# KiCad board Scan_Head_Set-Relay_board-19.01.2023_Copy.kicad_pcb (continued)
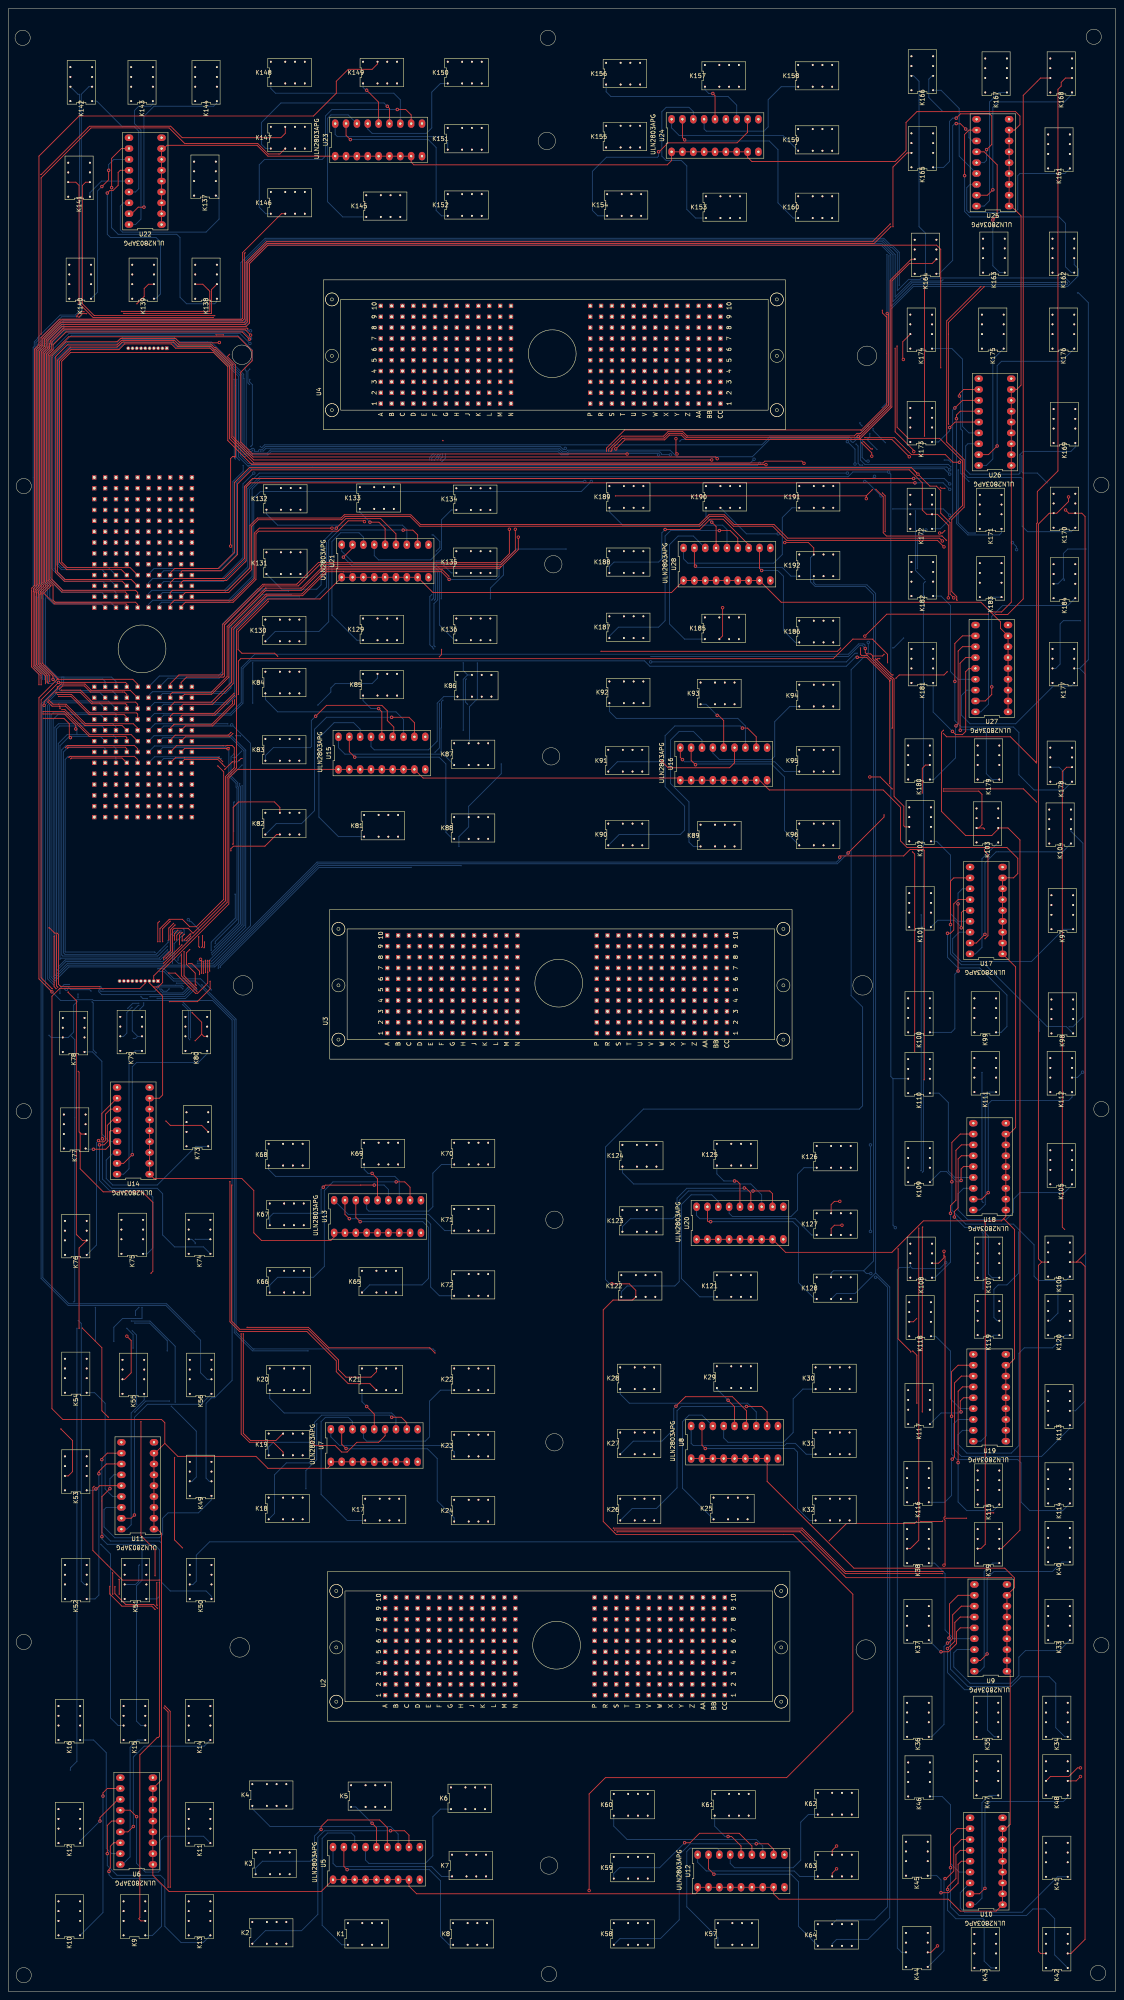
[diagram p0: board, top side]
## Routing (per net, layer and track width the routed paths; a pad name or vN(x,y) marks a point on that pad's centre or on a via; arc(x,y) is an arc through that point) (continued)
  Bottom w0.2: v2(99.06,358.39) 99.06,358.88 v2(99.9,359.72) ; v2(70.1,149.92) 57.09,149.92 52.83,154.18 52.83,227.39 43.75,236.47 38.61,236.47 36.4,238.68 v2(35.39,238.68) ; v2(100.08,334.77) 101.47,334.77 v2(102.17,334.07) ; v2(100.13,337.09) 100.95,337.9 100.95,339.34 99.42,340.87 v2(99.15,340.87) ; v2(72.14,132.84) 72.14,124.46 69.6,121.92 v2(69.6,117.66) ; v2(35.54,243.6) 35.49,243.66 ; 35.49,243.66 34.54,242.72 13.21,242.72 12.85,243.08 12.85,290.07 13.97,291.19 22.24,291.19 22.61,290.83 U1.W9 ; 35.49,243.66 37.34,245.51 v2(37.34,245.97) ; v2(40.7,245.87) 42.16,245.87 42.49,246.2 v2(42.49,246.46)
IO54: length 559.6
  +12V w0.2: v1(39.69,239.46) 39.69,239.71 v1(38.86,240.54) ; v1(60.45,378.71) 61.02,378.15 61.02,363.84 61.45,363.42 v1(99.82,363.42)
  AGND w0.2: K17.21 86.87,114.3 85.85,113.28 76.2,113.28 71.37,118.11 53.85,118.11 51.86,120.1 51.86,227.31 46,233.17 41.62,233.17 40.34,234.45 40.34,235.92 41.15,236.73 41.15,238 v1(39.69,239.46) ; v2(47.43,243.65) 44.88,243.65 43.19,241.95 40.83,241.95 40.68,242.1 ; v2(99.6,358.35) 99.6,333.02 v2(99.5,332.93) ; 40.68,242.1 40.33,242.45 v2(40.33,242.52) ; 40.68,242.1 38.18,244.6 v2(37.18,244.6) ; v1(99.82,363.42) 100.52,362.72 v2(100.52,359.73) ; v2(99.06,325.63) 98.66,325.23 98.66,303.59 v2(100.87,301.38) ; v2(99.82,290.01) 99.06,289.25 99.06,283.21 94.49,278.64 88.39,278.64 86.61,276.86 K81.21 86.61,274.83 85.09,273.3 57.15,273.3 53.98,270.14 53.98,257.76 v2(53.02,256.79) ; v1(38.86,240.54) v2(39.67,241.34) ; K145.21 87.12,418.59 85.34,416.81 85.34,414.27 83.57,412.5 60.2,412.5 57.59,409.89 57.59,390.4 59.98,388 59.98,380.67 58.86,379.55 59.69,378.71 v1(60.45,378.71)
  Bottom w0.2: v2(39.67,241.34) 39.67,241.85 v2(40.33,242.52) ; v2(99.82,290.01) 100.84,291.03 100.84,301.34 v2(100.87,301.38) ; v2(53.02,256.79) 53.07,256.74 53.07,251.21 47.43,245.57 v2(47.43,243.65) ; v2(37.18,244.6) 34.89,242.32 12.7,242.32 12.45,242.57 12.45,290.58 13.46,291.59 24.38,291.59 25.15,290.83 U1.W8 ; v2(99.6,358.35) 99.6,358.4 100.29,359.1 100.29,359.5 v2(100.52,359.73) ; v2(99.06,325.63) 99.5,326.07 v2(99.5,332.93)
IO55: length 606
  Top w0.2: U1.W7 27.69,290.83 27.32,291.19 14.01,291.19 13.81,290.99 v4(13.85,290.95) ; v4(54.64,288.54) 54.4,288.54 v8(53.94,288.09) ; v8(52.49,287.78) 52.38,287.78 v4(50.6,286) ; v4(36.32,241.55) 36.32,241.94 37.95,243.57 37.95,248.58 v4(38.96,249.58)
  +12V w0.2: v4(54.64,288.54) 55.31,289.22 v1(55.31,289.31) ; v4(38.96,249.58) 39,249.55 ; 39,249.55 39.73,250.29 39.73,250.61 40.65,251.53 42.36,251.53 49.89,259.06 49.89,285.24 50.65,286 v4(50.6,286) ; 39,249.55 38.95,249.5 14.63,249.5 13.69,250.44 13.69,290.8 v4(13.85,290.95) ; v1(60.17,378.26) 60.31,378.26 60.62,377.94 60.62,363.78 60.57,363.73 61.33,362.97 v4(101.6,362.97) ; v4(36.32,241.55) 38.78,239.1 v1(39.33,239.1)
  AGND w0.2: 55.57,292.41 55.57,289.56 v1(55.31,289.31) ; 55.57,292.41 55.52,292.35 ; 55.57,292.41 55.92,292.75 55.92,298.91 57.66,300.65 57.71,300.6 72.58,300.6 72.91,300.93 103.57,300.93 ; 103.57,300.93 106.36,300.93 K86.11 ; 103.57,300.93 102.17,300.93 99.06,304.04 99.06,324.99 v2(99.68,325.61) ; v2(39.31,235.97) 39.26,236.02 39.26,239.03 v1(39.33,239.1) ; K22.11 106.93,140.72 105.92,141.73 105.92,147.57 103.12,150.37 56.39,150.37 53.64,153.12 53.64,227.54 46.74,234.44 44.13,234.44 v2(44.1,234.47) ; 101.6,359.92 101.8,360.11 101.8,362.85 v9(101.72,362.93) ; v1(60.17,378.26) 59.49,378.26 59.46,378.23 58.45,379.25 58.45,379.7 59.58,380.83 59.58,387.82 57.25,390.14 57.19,390.14 57.19,440.67 58.84,442.32 90.59,442.32 97.34,449.07 104.14,449.07 106.17,447.04 K150.11 ; v2(100.01,332.42) 100.58,332.99 100.58,357.89 v2(101.09,358.39)
  Bottom w0.2: v2(99.68,325.61) 99.9,325.84 99.9,332.31 v2(100.01,332.42) ; v8(52.49,287.78) 53.64,287.78 v8(53.94,288.09) ; v2(101.6,359.9) 101.6,359.16 101.09,358.65 v2(101.09,358.39) ; v2(39.31,235.97) 42.61,235.97 v2(44.1,234.47)
IO56: length 594.4
  Top w0.2: v4(44.7,244.35) 44.51,244.54 v4(44.51,246.82) ; U1.W6 30.23,290.83 29.46,291.59 13.85,291.59 v4(13.34,291.08) ; v4(46.08,241.33) 46.09,241.32 v4(46.09,238.44)
  +12V w0.2: v4(46.08,241.33) 46.08,242.59 44.7,243.97 v4(44.7,244.35) ; 42.29,250.58 42.29,250.62 v3(42.07,250.83) ; 42.29,250.58 49.84,258.13 v1(49.84,258.22) ; 42.29,250.58 40.26,250.58 40.13,250.44 40.13,250.12 39.12,249.1 14.12,249.1 13.29,249.94 13.29,291.03 v4(13.34,291.08) ; v1(44.89,247.46) 44.96,247.4 44.96,247.08 44.7,246.82 v4(44.51,246.82) ; K22.21 103.63,149.86 57.15,149.86 55.37,151.64 55.37,153.72 55.39,153.74 55.39,229.14 v4(46.09,238.44) ; v6(100.08,333.81) v1(100.08,340.87) ; 101.35,362.44 101.3,362.49 61.18,362.49 60.17,363.5 v1(60.17,377.76) ; v1(55.88,282.19) 55.88,282.16 v1(54.64,280.92)
  AGND w0.2: v2(101.3,325.94) 100.33,324.97 100.33,314.96 104.34,310.95 v2(106.43,310.95) ; K150.21 105.41,451.61 103.38,449.58 97.28,449.58 90.42,442.72 58.67,442.72 56.79,440.84 56.79,389.74 57.09,389.74 59.18,387.65 59.18,381 57.66,379.48 59.38,377.76 v1(60.17,377.76) ; v2(52.7,271.53) 51.82,270.65 51.82,260.19 v1(49.84,258.22) ; v1(55.88,282.19) 67.52,282.19 69.6,284.27 69.6,285.24 74.42,290.07 98.04,290.07 103.12,295.15 v2(106.43,295.15) ; v1(101.35,362.46) 101.09,362.2 v2(101.09,359.66) ; v2(44.64,248.48) 44.89,248.22 v1(44.89,247.46) ; v1(100.08,340.87) 100.08,358.2 v2(100.33,358.45) ; v1(54.64,280.92) 54.1,280.92 52.83,279.65 v2(52.83,278.38)
  Bottom w0.2: v2(52.83,278.38) 52.82,278.39 52.7,278.26 v2(52.7,271.53) ; v2(44.64,248.48) 42.67,250.44 42.42,250.44 42.42,250.48 v3(42.07,250.83) ; v2(106.43,310.95) 106.43,309.12 107.44,308.1 ; v2(101.3,325.94) 101.3,332.59 v6(100.08,333.81) ; 107.44,308.1 106.43,307.09 v2(106.43,295.15) ; 107.44,308.1 K86.21 ; v2(100.33,358.45) 100.69,358.81 100.69,359.26 v2(101.09,359.66)
IO57: length 516.6
  Top w0.2: v4(39.37,246.08) 39.37,247.19 v4(40.11,247.93) ; U1.V6 28.7,294.13 19.05,294.13 13.21,299.97 v4(12.49,299.97) ; v4(51.82,189.54) 51.82,156.72 54.1,154.43 69.85,154.43 76.71,147.57 76.71,145.03 79.5,142.24 84.58,142.24 K21.11 ; v4(44.01,234.76) 41.08,237.68 v4(41.08,243.35)
  +12V w0.2: v4(40.11,247.93) 40.16,247.93 40.19,247.9 ; v1(59.36,361.83) 59.11,361.83 58.57,362.37 58.57,377.54 v1(58.62,377.59) ; v1(56.64,356.11) 56.64,355.55 v1(55.14,354.05) ; v1(57.63,325.4) 55,328.04 v1(55,331.22) ; v4(51.82,189.54) 52.07,189.8 52.07,226.69 v4(44.01,234.76) ; v4(12.49,299.97) 12.49,248.62 13.21,247.9 40.19,247.9 ; 40.19,247.9 40.19,248.01 41.39,249.21 42.62,249.21 51.24,257.84 51.24,266.45 51.19,266.5 51.19,284.57 v1(51.61,284.99) ; v4(39.37,246.08) 39.37,244.92 40.94,243.35 v4(41.08,243.35)
  AGND w0.2: v1(55,331.22) 56.64,332.86 56.64,343.04 55.23,344.45 55.23,353.97 v1(55.14,354.05) ; v1(58.62,377.59) 58.36,377.59 57.27,378.68 57.19,378.68 56.64,379.22 58.71,381.29 58.71,387.55 56.93,389.34 56.39,389.34 56.39,441.2 58.67,443.48 85.34,443.48 86.36,444.5 K149.11 ; v2(52.54,288.77) 52.47,288.7 52.47,287.3 51.61,286.45 v1(51.61,284.99) ; v1(57.63,325.4) 52.83,320.6 52.83,315.72 57.15,311.4 v2(57.15,310.95) ; K85.11 86.36,302.51 85.34,301.5 v2(57.15,301.5) 55.12,299.47 55.12,293.88 54.55,293.31 v2(54.55,290.26) ; v1(59.36,361.83) 59.38,361.81 59.38,359.81 59.33,359.77 58.81,359.77 56.64,357.6 v1(56.64,356.11)
  Bottom w0.2: v2(57.15,301.5) v2(57.15,310.95) ; v2(54.55,290.26) 53.06,288.77 v2(52.54,288.77)
IO58: length 557
  Top w0.2: v4(38.86,246.08) 38.86,247.59 v4(39.62,248.35) ; v4(7.12,305.82) 7.12,308.26 5.37,310.01 5.37,327.81 5.43,327.87 5.43,328.41 6.05,329.04 6.05,384.33 7.11,385.39 7.11,429.51 16.51,438.91 71.37,438.91 76.71,444.25 76.71,447.04 79.5,449.83 85.09,449.83 86.36,451.1 K149.21 ; U1.V7 27.69,293.48 27.43,293.73 18.88,293.73 13.1,299.52 v4(12.94,299.52) 8.12,299.52 v4(8.07,299.47) ; v4(44.07,234.06) 40.45,237.68 v4(40.45,242.76) ; K21.21 86.11,145.03 84.84,143.76 78.99,143.76 77.22,145.54 77.22,147.83 70.08,154.97 54.13,154.97 52.22,156.88 52.22,188.67 v4(52.27,188.72)
  +12V w0.2: 39.52,248.3 39.62,248.3 41.05,249.73 42.57,249.73 50.74,257.9 v1(50.74,283.21) ; 39.52,248.3 39.57,248.35 v4(39.62,248.35) ; 39.52,248.3 13.37,248.3 12.89,248.79 12.89,299.47 v4(12.94,299.52) ; v4(52.27,188.72) 52,188.72 51.37,189.36 51.37,189.73 51.67,190.03 51.67,226.46 v4(44.07,234.06) ; v4(38.86,246.08) 38.86,244.35 v4(40.45,242.76) ; v4(8.07,299.47) 7.12,300.42 v4(7.12,305.82)
  AGND w0.2: v2(52.7,284.99) 52.52,284.99 v1(50.74,283.21) ; v2(54.67,287.02) 54.86,287.22 54.86,289.94 55,290.07 55,292.99 55.52,293.52 55.52,299.21 57.35,301.05 v2(72.39,301.05)
  Bottom w0.2: v2(52.7,284.99) 52.7,285.05 v2(54.67,287.02) ; v2(72.39,301.05) 75.44,304.1 75.44,305.05 76.45,306.07 85.09,306.07 86.36,307.34 K85.21
IO59: length 492.9
  Top w0.2: K147.11 63.5,430.02 60.76,430.02 58.33,432.45 41.26,432.45 37.59,436.12 19.3,436.12 7.62,424.43 v4(7.62,387.86) ; v4(54.44,153.92) 54.44,130.47 56.39,128.52 61.98,128.52 64.26,126.24 K19.11 ; v4(45.13,238.27) 45.13,241.35 v7(44.93,241.55) ; v4(8.07,298.97) 13.08,298.97 15.73,296.32 v5(15.73,295.46)
  +12V w0.2: v4(45.13,238.27) 45.13,237.18 54.44,227.87 v4(54.44,153.92) ; v4(8.07,298.97) 7.78,298.97 6.67,300.07 6.67,386.91 v4(7.62,387.86)
  AGND w0.2: 44.19,241.82 43.41,241.05 40.6,241.05 38.32,243.33 v2(37.4,243.33) ; 44.19,241.82 44.45,241.55 v7(44.93,241.55) ; 44.19,241.82 44.97,242.6 v2(47.66,242.6) ; v2(54.67,282.19) 56.95,284.48 62.48,284.48 63.5,285.5 K83.11
  Bottom w0.2: v2(54.67,282.19) 54.67,249.61 v2(47.66,242.6) ; 16,294.13 24.38,294.13 25.15,293.37 U1.V8 ; 16,294.13 13.72,294.13 11.64,292.06 11.64,239.82 11.66,239.8 13.27,241.42 35.49,241.42 v2(37.4,243.33) ; 16,294.13 16,295.2 v5(15.73,295.46)
IO60: length 491.2
  Top w0.2: K147.21 64.77,434.85 63.75,433.83 40.64,433.83 37.95,436.52 18.94,436.52 7.62,425.2 v4(7.56,425.2) ; v5(14.48,293.43) 14.21,293.7 14.21,296.69 12.95,297.94 v4(8.13,297.94) ; K19.21 64.2,130.56 62.57,128.92 56.64,128.92 54.94,130.62 v4(54.94,153.92) ; v4(45.63,238.25) 45.58,238.3 v4(45.58,241.05)
  +12V w0.2: v1(44.96,243.08) 45.63,242.4 45.63,241.1 v4(45.58,241.05) ; v4(7.56,425.2) 7.56,388.44 6.27,387.14 6.27,299.8 v4(8.13,297.94) ; v4(45.63,238.25) 45.63,237.32 54.94,228.01 v4(54.94,153.92)
  AGND w0.2: 45.21,243.08 v2(47.5,243.08) ; 45.21,243.08 45.21,243.08 v1(44.96,243.08) ; 45.21,243.08 44.88,243.08 43.36,241.55 40.66,241.55 38.42,243.79 v2(37.21,243.79) ; K83.21 62.48,293.12 61.47,292.1 61.47,286 60.45,284.99 56.39,284.99 v2(54.1,282.7)
  Bottom w0.2: U1.V9 21.48,293.73 14.22,293.73 ; v5(14.48,293.43) 14.22,293.69 14.22,293.73 ; v2(47.5,243.08) 54.27,249.85 54.27,281.96 54.1,282.12 v2(54.1,282.7) ; v2(37.21,243.79) 37.21,243.78 35.31,241.88 35.31,241.82 12.31,241.82 12.04,241.55 12.04,291.55 14.22,293.73
IO61: length 460.5
  Top w0.2: v4(42.11,240.54) 42.93,240.54 44.68,238.78 v4(44.68,238)
  +12V w0.2: v4(44.68,238) 44.68,237.06 53.99,227.75 53.99,150.88 55.88,148.99 63.1,148.99 65.26,146.83 65.26,141.46 K20.11 ; v1(55.46,355) 54.16,353.71 54.16,333.31 60.65,326.82 v1(64.52,326.82) ; v3(37.65,242.57) 38.12,242.57 40.15,240.54 v4(42.11,240.54)
  AGND w0.2: K148.11 64.77,445.77 63.5,444.5 58.42,444.5 55.88,441.96 55.88,388.11 56.45,387.54 57.52,387.54 58.31,386.75 58.31,381.53 v2(56.45,379.67) ; v2(54.29,293.81) 54.61,294.13 54.61,299.72 57.4,302.51 62.48,302.51 63.5,303.53 K84.11 64.52,304.8 v1(64.52,326.82) ; v2(57.15,360.68) 57.15,375.32 v2(56.39,376.08) ; v2(53.14,293.88) 52.4,293.13 52.4,292.35 52.32,292.28 52.32,291.14 53.09,290.37 53.09,289.8 53.14,289.75 53.14,289.37 53.09,289.31 53.09,287.77 53.14,287.71 53.14,287.34 53.09,287.28 53.09,285.23 53.14,285.17 53.14,284.8 52.88,284.54 52.64,284.54 51.82,283.72 51.82,271.28 52.51,271.98 52.88,271.98 53.14,271.71 53.14,271.34 52.88,271.08 52.81,271.08 52.32,270.59 52.32,269.44 52.68,269.44 52.73,269.39 52.74,269.39 53.14,268.99 53.14,258.26 53.18,258.22 43.16,248.19 v2(40.4,248.19) ; v1(55.46,355) 55.37,355.09 55.37,360.23 v2(55.58,360.45)
  Bottom w0.2: v3(37.65,242.57) 37.59,242.57 ; 37.59,242.57 36.04,241.02 13.44,241.02 11.43,239.01 11.24,239.2 11.24,295.47 11.94,296.16 21.84,296.16 22.61,295.4 U1.U9 ; 37.59,242.57 37.85,242.82 37.85,247.14 38.9,248.19 v2(40.4,248.19) ; v2(55.58,360.45) 56.92,360.45 v2(57.15,360.68) ; v2(56.45,379.67) 56.45,379.65 56.03,379.22 56.03,376.44 v2(56.39,376.08) ; v2(53.14,293.88) 54.23,293.88 v2(54.29,293.81)
IO62: length 466.4
  Top w0.2: v4(60.8,325.34) 60.8,325.32 53.74,318.26 53.74,314.05 54.61,313.18 62.29,313.18 v4(62.99,312.48) ; v8(36.28,240.62) v4(40.58,244.92)
  +12V w0.2: v1(61.21,362.04) 60.68,362.04 59.72,362.99 59.72,388.2 56.39,391.53 56.39,406.62 66.04,416.27 66.04,448.56 64.77,449.83 K148.21 ; 44.46,244.85 44.21,244.6 44.23,244.57 44.23,236.94 53.59,227.58 53.59,150.62 55.63,148.59 62.74,148.59 64.52,146.81 K20.21 ; 44.46,244.85 55.12,255.51 55.12,280.84 56.02,281.74 56.07,281.74 56.33,282.01 56.33,282.38 56.07,282.64 55.69,282.64 55.43,282.38 55.43,282.28 55.12,281.97 55.12,288.46 55.76,289.1 55.76,303.33 58.51,306.07 61.47,306.07 63.5,308.1 K84.21 63.5,311.97 v4(62.99,312.48) ; 44.46,244.85 v1(44.23,244.62) ; v4(40.58,244.92) 40.68,244.92 v1(41.2,244.4) ; v4(60.8,325.34) 60.8,326.1 53.74,333.16 53.74,353.92 57.16,357.34 v1(57.24,357.34)
  AGND w0.2: v1(44.23,244.62) 41.42,244.62 v1(41.2,244.4) ; v1(57.24,357.34) 58.2,357.34 59.73,358.88 59.73,359.6 61.21,361.08 v1(61.21,362.04)
  Bottom w0.2: v8(36.28,240.62) 13.77,240.62 10.91,237.76 10.84,237.82 10.84,295.83 11.68,296.67 24.38,296.67 25.15,295.91 U1.U8
IO63: length 459.7
  Top w0.2: v4(7.62,305.82) 7.62,308.32 5.77,310.18 5.77,327.64 5.83,327.7 5.83,328.24 6.55,328.97 6.45,329.07 6.45,384.16 7.61,385.32 7.61,387.07 11.89,391.34 54.55,391.34 54.79,391.58 54.79,406.96 63.88,416.05 K146.11 ; 11.88,300.79 10.19,300.79 v4(9.19,301.79) ; 11.88,300.79 13.27,300.79 13.31,300.83 17.87,296.27 26.56,296.27 U1.U7 ; 11.88,300.79 12.04,300.63 v4(12.04,300.23) ; K82.11 62.74,270.76 60,268.03 52.64,268.03 52.04,267.43 v4(52.04,266.95) ; v4(43.94,235.46) 43.69,235.71 43.69,238.32 41.66,240.35 41.66,243.08 v4(42.41,243.83) ; v4(40.64,245.87) 40.64,246.9 v4(41.14,247.4)
  +12V w0.2: v4(9.19,301.79) 8.85,301.79 7.62,303.02 v4(7.62,305.82) ; v4(12.04,300.23) 12.04,248.27 12.94,247.38 41.17,247.38 42.11,248.32 42.86,248.32 52.04,257.5 v4(52.04,266.95) ; v4(40.64,245.87) 40.64,245.6 v4(42.41,243.83) ; K18.11 64.26,111.76 62.23,113.79 53.59,113.79 52.78,114.61 52.78,226.62 v4(43.94,235.46)
IO64: length 469.9
  Top w0.2: v4(8.64,306.07) 8.64,307.87 6.17,310.34 6.17,327.48 6.23,327.54 6.23,328.08 7.12,328.97 6.85,329.24 6.85,384 8.01,385.16 8.01,386.9 12.06,390.94 54.72,390.94 55.19,391.41 55.19,406.72 v4(55.37,406.91) ; v4(52.49,268.48) 52.58,268.57 52.58,277.11 53.85,278.38 62.23,278.38 63.5,277.11 K82.21 ; U1.U6 30.23,295.66 29.21,296.67 18.03,296.67 13.46,301.24 v4(11.68,301.24) 10.41,301.24 v4(9.42,302.24)
  +12V w0.2: 41.56,246.98 42.5,247.92 43.02,247.92 52.49,257.39 v4(52.49,268.48) ; 41.56,246.98 41.5,246.93 12.82,246.93 11.59,248.16 11.59,301.15 v4(11.68,301.24) ; 41.56,246.98 41.55,246.98 v1(41.4,246.98) ; v4(8.64,306.07) 8.64,304.8 v1(8.83,304.61) ; K146.21 62.48,418.85 62.48,414.27 55.37,407.16 v4(55.37,406.91) ; v4(9.42,302.24) 9.4,302.26 v1(9.4,303.78) ; v1(42.16,246.08) 43.83,244.41 43.83,236.33 53.18,226.99 53.18,122.08 55.63,119.63 60.96,119.63 64.26,116.33 K18.21
  AGND w0.2: v1(9.4,303.78) 9.4,304.04 v1(8.83,304.61) ; v1(41.4,246.98) 41.4,246.59 41.91,246.08 v1(42.16,246.08)
IO65: length 574.2
  Top w0.2: v4(228.35,398.98) 219.98,390.61 219.98,366.83 v4(220.03,366.78) ; v4(202.95,311.91) 203.2,311.66 ; 203.2,311.66 203.45,311.91 v4(203.9,311.91) ; 203.2,311.66 206.76,308.1 v4(207.01,308.1) ; K39.11 232.41,103.63 236.73,107.95 236.73,269.49 233.93,272.29 K103.11 231.65,272.03 230.12,270.51 224.03,270.51 218.36,276.17 218.36,294.7 v4(218.81,295.15) ; v4(218.09,352.01) 218.31,351.79 v4(219.14,351.79)
  +12V w0.2: v4(219.14,351.79) 219.09,351.84 219.09,363.85 219.42,364.17 219.42,366.17 v4(220.03,366.78) ; v4(207.01,308.1) 207.59,308.1 218.81,296.88 v4(218.81,295.15) ; v1(203.9,313.18) v4(203.9,311.91) ; v4(218.09,352.01) 217.81,352.3 215.39,352.3 214.88,351.79 214.88,342.16 v3(214.74,342.02) ; K167.11 232.41,447.8 231.14,446.53 231.14,400.05 230.07,398.98 v4(228.35,398.98) ; v4(202.95,311.91) 201.87,312.99 v1(201.49,312.99)
  AGND w0.2: v1(201.49,312.99) 201.49,314.49 200.91,315.06 v2(200.47,315.06) ; v2(212.71,332.99) 212.71,332.09 211.84,331.22 210.57,331.22 209.94,330.59 209.94,317.19 v2(209.49,316.74) ; v2(206.95,314.45) 205.17,314.45 v1(203.9,313.18)
  Bottom w0.2: v2(212.71,332.99) 212.71,339.99 v3(214.74,342.02) ; U1.T5 34.18,299.1 51.9,299.1 54.46,301.66 54.46,309.79 57.63,312.96 196.57,312.96 198.97,315.36 200.17,315.36 v2(200.47,315.06) ; v2(206.95,314.45) 207.21,314.45 v2(209.49,316.74)
IO66: length 577
  Top w0.2: v4(219.71,308.86) 218.95,308.1 208.48,308.1 v4(207.71,307.34) ; v4(218.81,280.92) 227.08,280.92 227.84,280.16 227.84,273.05 227.08,272.29 ; 227.08,272.29 K103.21 ; 227.08,272.29 228.16,272.29 v4(228.42,272.03) ; v4(227.58,398.98) 219.58,390.97 219.58,362.59 223.67,358.5 223.67,347.36 220.76,344.46 220.76,327.6 221.93,326.43 221.93,325.85 221.83,325.74 v4(222,325.57) ; 206.25,306.58 206.25,306.83 200.85,312.23 v5(198.63,312.23) ; 206.25,306.58 206.25,306.71 v4(206.37,306.83) ; 206.25,306.58 206.25,282.7 v4(206.21,282.67) ; v4(228.54,246.38) 229.24,247.08 229.24,266.04 228.42,266.86 v4(228.42,267.27) ; K39.21 227.58,103.63 228.6,104.65 228.6,179.83 v4(228.54,179.89)
  +12V w0.2: v4(207.71,307.34) 206.87,307.34 v4(206.37,306.83) ; v4(227.58,398.98) 229.68,401.07 229.68,446.59 230.38,447.29 229.87,447.8 K167.21 ; v4(218.81,280.92) 206.69,280.92 206.21,281.4 v4(206.21,282.67) ; v4(228.42,267.27) v4(228.42,272.03) ; v4(228.54,179.89) v4(228.54,246.38) ; v4(222,325.57) 219.71,323.29 v4(219.71,308.86)
  Bottom w0.2: U1.T4 36.32,298.7 52.07,298.7 54.86,301.5 54.86,309.63 56.64,311.4 148.84,311.4 150.11,310.13 196.09,310.13 198.37,312.42 198.57,312.23 v5(198.63,312.23)
IO67: length 592.8
  Top w0.2: v4(199.39,314.39) 199.39,312.93 199.69,312.63 201.02,312.63 206.36,307.28 206.55,307.28 206.86,306.97 206.86,295.71 v4(206.81,295.66) ; 240.44,287.68 234.5,293.62 219.58,293.62 v4(218.81,294.39) ; 240.44,287.68 v4(240.6,287.53) ; 240.44,287.68 240.65,287.89 240.65,343.57 240.79,343.72 240.79,351.03 245.62,355.85 245.62,445.14 246.38,445.9 246.38,446.79 247.4,447.8 K168.11 ; v4(194.75,314.39) 193.99,313.63 v4(138.68,313.63) ; U1.T3 37.85,298.45 38.5,299.1 48.08,299.1 v4(52.78,303.8)
  +12V w0.2: K104.11 246.13,274.57 246.13,277.62 244.86,278.89 240.72,278.89 240.6,279.02 v4(240.6,287.53) ; v1(249.22,176.3) 251.53,173.99 251.53,107 K40.11 ; v4(206.81,295.66) 217.54,295.66 v4(218.81,294.39) ; v4(138.68,313.63) 55.26,313.63 53.19,311.57 53.19,304.22 v4(52.78,303.8) ; v4(194.75,314.39) v4(199.39,314.39)
  AGND w0.2: v1(249.22,176.3) 248.17,177.34 248.17,225.7 v2(248.24,225.76)
  Bottom w0.2: v2(248.24,225.76) 249.13,225.76 251.46,228.09 251.46,268.73 248.67,271.53 K104.11
IO68: length 593.6
  Top w0.2: v4(231.08,322.26) 233.87,322.26 237.49,325.88 237.49,443.74 241.55,447.8 K168.21 ; v4(52.89,303.28) 48.32,298.7 40.64,298.7 40.39,298.45 U1.T2 ; v7(200.41,317.18) 205.56,322.33 v4(229.3,322.33) ; v4(240.6,278.38) 237.55,281.43 v4(218.81,281.43) ; v7(201.59,284.23) 204.02,284.23 v4(206.81,281.43)
  +12V w0.2: v4(229.3,322.33) 229.37,322.26 v4(231.08,322.26) ; K104.21 242.06,272.03 241.68,272.41 ; v4(206.81,281.43) v4(218.81,281.43) ; 241.68,272.41 241.69,272.41 v1(241.69,209.87) ; 241.68,272.41 241.3,272.8 241.3,277.68 v4(240.6,278.38) ; v4(52.89,303.28) 53.59,303.98 53.59,311.4 55.12,312.93 139.45,312.93 140.46,311.91 150.37,311.91 150.28,311.83 v3(150.28,311.15)
  AGND w0.2: v1(241.69,209.87) 241.69,134.9 241.64,134.85 241.64,104.9 242.65,103.89 K40.21 ; v7(201.59,284.23) 201.59,310.73 200.15,312.17 ; v2(198.63,313.18) 199.14,313.18 200.15,312.17 ; 200.15,312.17 199.82,312.5 199.82,316.59 v7(200.41,317.18)
  Bottom w0.2: v3(150.28,311.15) 196.09,311.15 198.12,313.18 v2(198.63,313.18)
IO69: length 670.6
  Top w0.2: v5(103.12,330.45) 101.32,332.26 80.08,332.26 80.05,332.23 78.45,332.23 78.42,332.26 74.45,332.26 68.83,326.64 60.45,326.64 52.58,318.77 52.58,306.07 47.75,301.24 40.89,301.24 40.39,300.74 U1.S2
  +12V w0.2: K97.11 250.44,251.97 250.88,252.4 v1(250.88,253.24) ; v1(128.27,359.35) 128.72,358.9 130.56,358.9 130.81,358.65 v1(130.81,357.83)
  AGND w0.2: v2(130.5,337.57) 130.45,337.62 130.45,357.39 130.81,357.75 v1(130.81,357.83) ; v1(128.27,359.35) 128.27,360.32 132.46,364.51 158.9,364.51 159.35,364.06 159.35,363.56 159.26,363.47 160.65,362.08 192.92,362.08 195.07,364.24 196.99,364.24 203.9,371.15 206.56,371.15 208.24,372.83 208.24,388.15 204.72,391.67 204.72,392.74 215.11,403.13 220.7,403.13 220.7,412.21 224.28,415.8 240.79,415.8 241.05,416.05 241.05,422.66 K161.11 249.43,430.02 251.21,428.24 251.21,397 253.02,395.19 253.02,255.38 v1(250.88,253.24) ; K97.11 249.92,251.22 249.92,226.55 249.68,226.31 248.16,226.31 247.65,225.81 247.67,225.79 247.67,85.87 247.65,85.85 247.9,85.6 K33.11
  Bottom w0.2: v2(130.5,337.57) 118.87,337.57 114.81,333.5 114.81,331.22 114.05,330.45 v5(103.12,330.45)
IO70: length 643.3
  Top w0.2: 200.73,350.01 v4(142.04,350.01) ; 200.73,350.01 200.77,349.97 v7(200.77,349.36) ; 200.73,350.01 v4(202.18,351.47) ; U1.S3 37.85,300.74 38.86,301.75 47.5,301.75 52.18,306.43 52.18,318.94 60.29,327.04 68.67,327.04 74.33,332.71 101.55,332.71 v4(103.06,331.2)
  +12V w0.2: v4(202.18,351.47) 201.17,352.48 v3(201.17,358.14) ; v4(142.04,350.01) 137.45,350.01 127.61,340.18 121.23,340.18 120.9,339.85 120.9,335.53 114.81,329.44 105.13,329.44 103.37,331.2 v4(103.06,331.2) ; v1(237.58,343.41) 222.34,343.41 v3(220.28,345.47)
  AGND w0.2: v1(237.58,343.41) 239.61,341.38 245.22,341.38 245.62,340.98 245.62,252.73 244.86,251.97 K97.21 241.55,251.97 241.05,251.46 241.05,227.2 v2(241.24,227.01) ; v2(204.47,370.7) 200.66,366.89 200.66,363.73 v2(199.9,362.97) ; K161.21 243.59,430.02 245.36,431.8 245.36,436.88 241.55,440.69 217.42,440.69 214.23,437.5 214.23,422.31 205.6,413.69 v2(205.6,406.48) ; K33.21 242.32,85.6 241.24,86.68 v2(241.24,224.73) ; v2(206.95,346.96) 203.17,346.96 v7(200.77,349.36)
  Bottom w0.2: v2(206.95,346.96) 218.78,346.96 v3(220.28,345.47) ; v2(205.6,406.48) 205.6,371.84 v2(204.47,370.7) ; v3(201.17,358.14) 200.66,358.14 199.79,359.01 199.79,362.86 v2(199.9,362.97) ; v2(241.24,224.73) v2(241.24,227.01)
IO71: length 449.7
  +12V w0.2: v1(61.21,358.39) 61.32,358.29 61.67,358.29 61.77,358.18 126.33,358.18 127.61,359.46 v1(127.68,359.46) ; v1(200.19,365.92) 200.85,365.25 v1(201.11,365.25)
  AGND w0.2: v1(127.68,359.46) 127.68,360.3 132.3,364.91 159.06,364.91 161.26,362.71 192.79,362.71 194.9,364.83 197.02,364.83 199.56,367.37 ; v2(201.58,364.58) 201.58,364.78 v1(201.11,365.25) ; K102.11 214.88,272.54 214.12,273.3 214.12,330.16 v2(214.39,330.43) ; v1(61.21,358.39) 58.42,355.6 58.42,345.19 58.93,344.68 71.63,344.68 74.42,341.88 v2(74.42,339.09) ; v2(203.26,360.87) 205.8,360.87 209.8,356.87 209.8,354.33 212.26,351.88 v2(212.26,346.51) ; 199.56,367.37 203.74,371.55 206.39,371.55 207.84,373 207.84,387.98 204.32,391.5 204.32,392.91 207.71,396.3 207.71,414.08 207.52,414.27 218.44,425.2 v2(218.44,440.18) ; 199.56,367.37 199.34,367.15 v2(199.27,367.15) ; v2(199.78,366.39) 200.19,365.98 v1(200.19,365.92)
  Bottom w0.2: K166.11 216.15,448.31 215.39,447.55 215.39,443.23 v2(218.44,440.18) ; v2(74.42,339.09) 74.42,328.68 71.63,325.88 60.2,325.88 53.34,319.02 53.34,303.28 51.31,301.24 36.32,301.24 U1.S4 ; v2(199.27,367.15) 199.27,366.9 v2(199.78,366.39) ; v2(212.26,346.51) 212.26,332.57 v2(214.39,330.43) ; v2(201.58,364.58) 201.58,363.83 200.94,363.19 v2(203.26,360.87)
IO72: length 558.3
  Top w0.2: 202.3,312.53 202.3,311.91 206.53,307.68 206.72,307.68 207.26,307.14 207.26,279.65 209.55,277.37 209.55,272.8 209.8,272.54 K102.21 ; 202.3,312.53 204.53,312.53 v4(204.92,312.93) ; 202.3,312.53 201.8,313.03 200.81,313.03 200.52,313.32 v5(200.52,314.31) ; v4(213.04,178.63) 213.04,105.6 211.07,103.63 K38.21 ; v4(212.09,220.02) 212.09,266.19 v4(211.58,266.7) ; v4(214.38,398.98) v4(214.38,363.98)
  +12V w0.2: v1(212.85,341.12) 214.38,342.65 v4(214.38,363.98) ; v3(214.71,401.74) 214.71,399.31 v4(214.38,398.98) ; K102.21 211.58,271.78 v4(211.58,266.7) ; v4(212.09,220.02) 213.87,218.24 213.87,179.46 v4(213.04,178.63) ; v1(209.49,317.75) 209.49,317.5 v4(204.92,312.93)
  AGND w0.2: v1(209.49,317.75) 209.49,337.83 212.78,341.12 v1(212.85,341.12) ; v2(150.37,312.42) 138.68,312.42 124.71,326.39 v2(68.07,326.39)
  Bottom w0.2: K166.21 211.84,448.31 213.11,447.04 213.11,413 214.63,411.48 214.63,401.83 v3(214.71,401.74) ; v5(200.52,314.31) 199.87,314.96 199.14,314.96 196.6,312.42 v2(150.37,312.42) ; v2(68.07,326.39) 60.14,326.39 52.94,319.19 52.94,303.53 52.83,303.53 50.95,301.64 34.18,301.64 U1.S5
